# Altium PCB GameBoard_V1I1.PcbDoc (part 20 of 22)
Units mil, origin at the board's own origin, x right, y up, seen from the top; angles counter-clockwise.
Board outline 7165.35 x 2814.96 mil, 12 copper layers (L1, L2, L3, L4, L5 (PWR), L6 (PWR), L7 (PWR), L8 (PWR), L9, L10, L11, L12), stack 61.575 mil thick; 1551 components, 1072 nets, 5467 pads, 3785 vias.
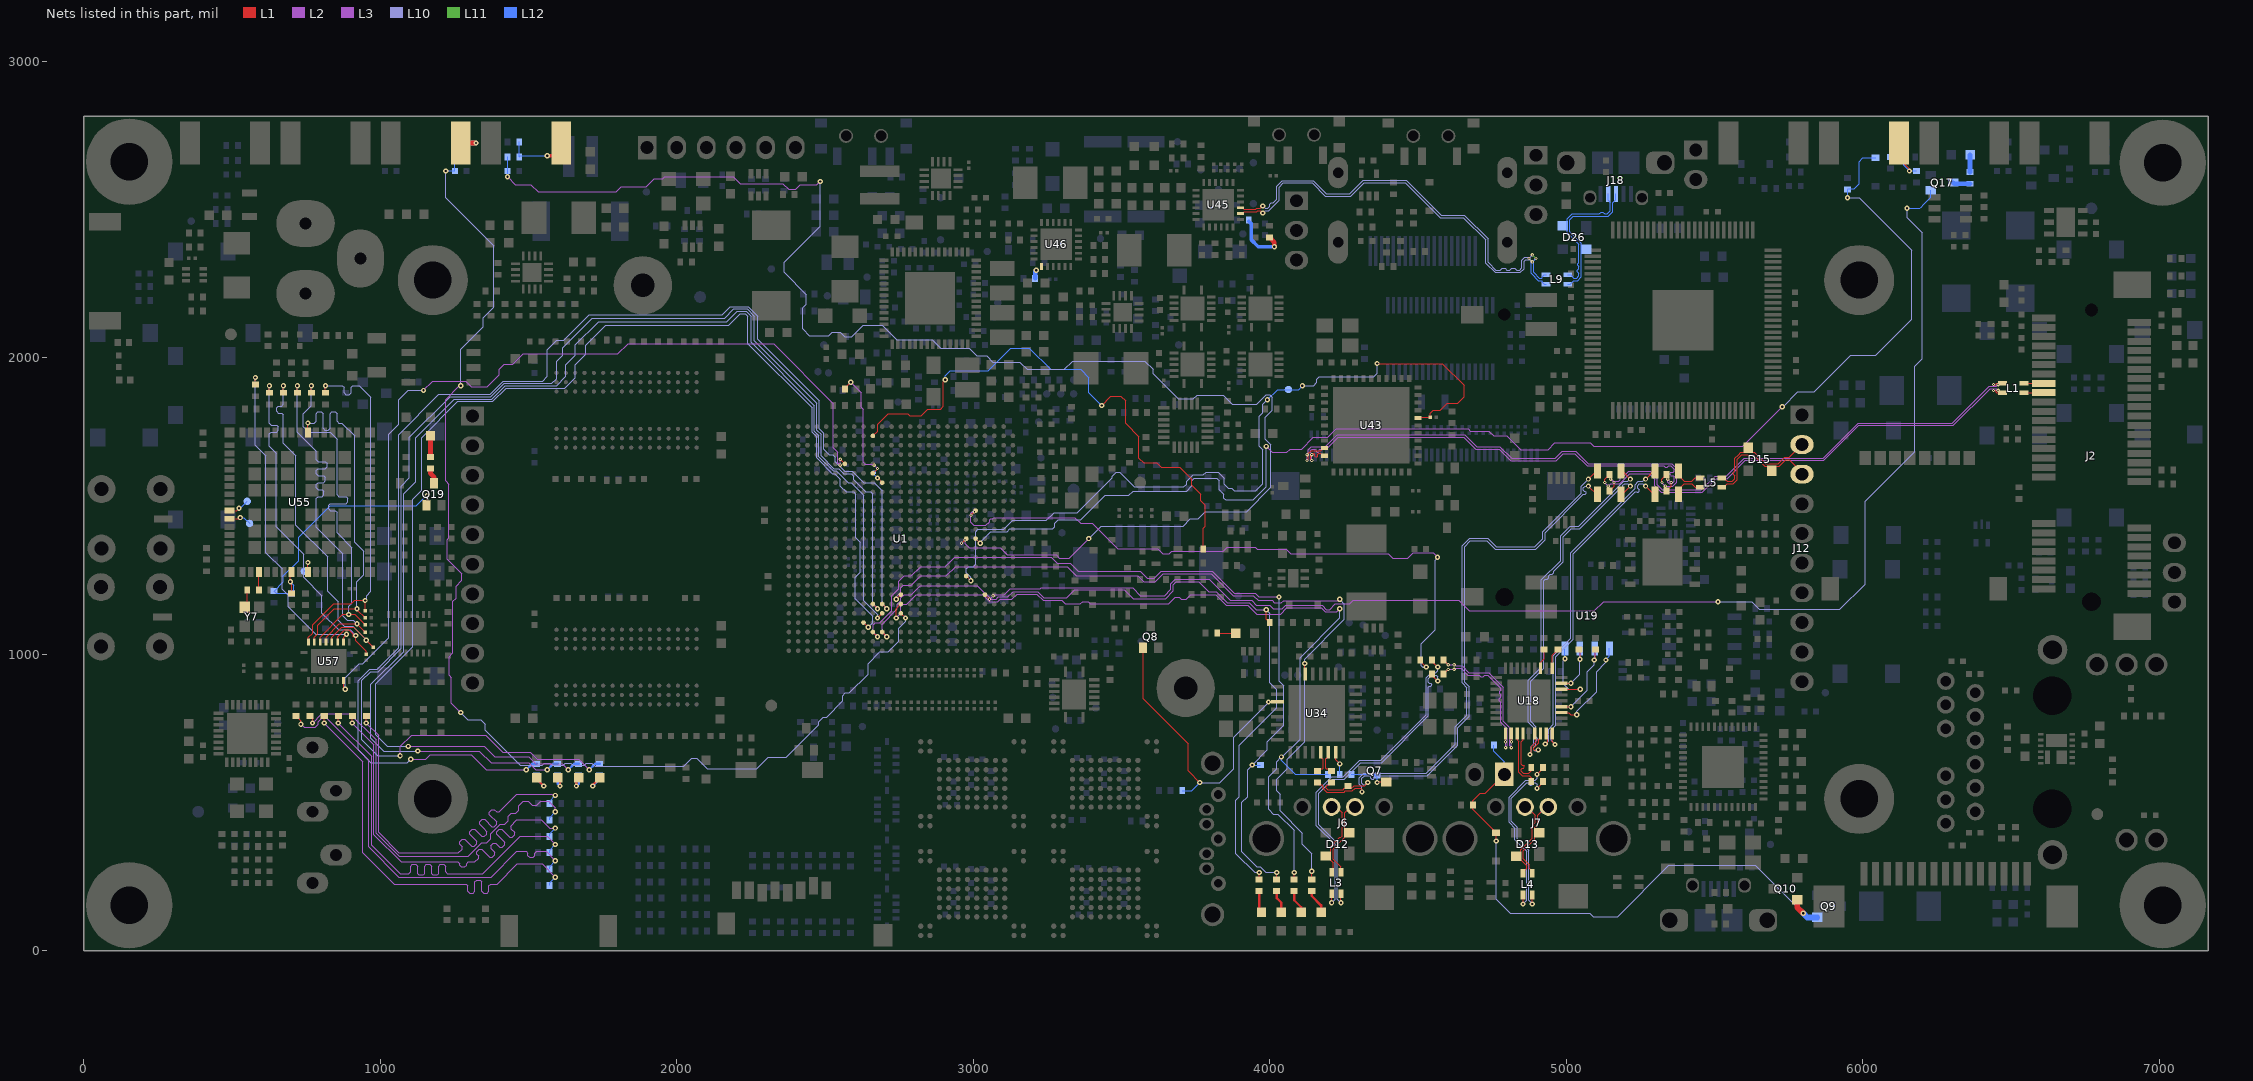
[diagram p30: the nets of this part, all layers, seen from the top]

## Via types
v1: diameter 17.72, hole 7.87, L1 to L12, 1935 vias
v2: diameter 17.72, hole 7.87, L1 to L12, tented both sides, 995 vias
v3: diameter 10.63, hole 3.94, L1 to L2, 334 vias
v4: diameter 11.81, hole 3.94, L2 to L3, 334 vias
v5: diameter 10.63, hole 3.94, L11 to L12, 94 vias
v6: diameter 11.81, hole 3.94, L10 to L11, 93 vias

## Nets (pads, with @x,y where several pads share a name; then routed paths per layer and width w, separated by ;. In a path a pad name is that pad's centre, name@x,y a point inside that pad or via, vN(x,y) a via of type N, cw(c..) or ccw(c..) an arc to the next point about the centre after c; other vN are vias at no path point) (continued)
USB1_P: R174.2 R175.2 U1.E10 | length 2203.5
  L1 w3.74: v3(2992.13,1468.51) U1.E10@3007.87,1484.25 ; R174.2@4507.87,980.31 4507.87,976.38 v1(4527.56,956.69)
  L3 w3.54: v4(3003.94,1480.32) 2997.05,1480.32 2992.13,1475.4 2992.13,1444.21 3002.26,1434.07 3042.4,1434.07 3055.18,1446.85 3055.18,1452.82 3059.12,1456.75 3065.08,1456.75 3068.68,1460.35 3342.8,1460.35 3362.21,1440.94 3401.58,1440.94 3487.2,1355.31 3623.03,1355.31 3639.76,1338.58 3661.11,1338.58 3669.97,1347.44 3842.41,1347.44 3856.19,1361.22 3950.59,1361.22 3958.66,1353.15 4055.62,1353.15 4070.19,1338.58 4399.15,1338.58 4414.89,1322.83 4465.24,1322.83 4483.75,1341.34 4551.38,1341.34 v1(4565.95,1326.77)
  L10 w3.54: v1(4527.56,956.69) 4515.75,956.69 4511.81,960.63 4511.81,1035.43 4559.06,1082.68 4559.06,1317.61 4565.95,1324.5 v1(4565.95,1326.77)
  L2 w3.15: v3(2992.13,1468.51) v4(3003.94,1480.32)
USB_BOT_L_N: D12.2 J6.2 L3.1 | length 276.5
  L1 w3.74: L3.1@4240.16,264.76 4240.16,282.64 4214.17,308.62 4214.17,344.09 4252.26,382.19 4252.26,464.57 4272.34,484.65 J6.2@4287.4,484.65 J6.2@4294.1,484.65
USB_BOT_L_P: D12.4 J6.3 L3.2 | length 275.2
  L1 w3.74: L3.2@4208.66,264.76 4214.57,270.67 4214.57,296.26 4205.71,305.12 4205.71,353.35 4208.66,356.3 4214.41,356.3 4217.52,359.41 4217.52,366.14 4220.47,369.09 4227.2,369.09 4231.3,373.19 4231.3,377.95 4235.4,382.05 4240.16,382.05 4243.8,385.69 4243.8,464.57 4223.72,484.65 J6.3@4208.66,484.65
USB_BOT_N: L3.4 R169.1 R170.1 | length 1134
  L1 w3.74: v1(4240.16,161.42) L3.4@4240.16,191.93 ; R169.1@4547.24,933.07 4547.24,929.13 v1(4566.93,909.45)
  L10 w3.54: v1(4240.16,161.42) 4228.35,173.23 4228.35,362.2 4165.35,425.2 4165.35,531.5 4212.6,578.74 4251.29,578.74 4306.41,633.86 4377.28,633.86 4535.43,792.01 4535.43,888.78 4538.39,891.73 4543.31,891.73 4546.26,894.68 4546.26,898.62 4543.31,901.57 4538.39,901.57 4535.43,904.53 4535.43,917.32 4547.25,929.13 4561.02,929.13 4566.93,923.23 v1(4566.93,909.45)
USB_BOT_P: L3.3 R172.1 R174.1 | length 1131.7
  L1 w3.74: v1(4208.66,161.42) L3.3@4208.66,191.93 ; R172.1@4547.24,980.31 4547.24,976.38 v1(4566.93,956.69)
  L10 w3.54: v1(4208.66,161.42) 4220.47,173.23 4220.47,358.94 4157.48,421.94 4157.48,534.76 4209.34,586.61 4248.03,586.61 4303.15,641.73 4374.02,641.73 4527.56,795.28 4527.56,920.58 4543.98,937.01 4560.04,937.01 4566.93,943.9 v1(4566.93,956.69)
USB_CONNECT_OR_USER_LED_2: R284.1 R285.1 U34.15 | length 80.5
  L1 w3.15: U34.15@4222.44,669.29 4222.44,643.7 v1(4236.22,629.92)
  L12 w3.15: R284.1@4236.22,594.49 v1(4236.22,629.92)
USB_CONNECTn: Q7.1 R272.1 R284.2 | length 149.1
  L1 w3.15: v1(4362.2,566.93) 4360.24,568.9 Q7.1@4393.7,568.9
  L12 w3.15: R284.2@4275.59,594.49 4350.39,594.49 R272.1@4358.27,586.61 ; v1(4362.2,566.93) 4362.2,582.68 R272.1@4358.27,586.61 ; R272.1@4362.2,590.55 R272.1@4358.27,586.61
USB_H1_OC: R590.1 U1.R7 | length 46.3
  L1 w3.15: v2(2677.17,1594.49) U1.R7@2692.91,1578.74
  L12 w3.15: R590.1@2666.73,1614.17 2666.73,1604.92 v2(2677.17,1594.49)
USB_HDR_L_N: D15.2 J12.2 L5.2 | length 403.2
  L1 w3.74: L5.2@5524.61,1594.49 5531.5,1594.49 5543.01,1582.97 5560.33,1582.97 5568.9,1591.54 5568.9,1601.38 5563.98,1606.3 5563.98,1612.2 5568.9,1617.13 5568.9,1660.59 5581.61,1673.31 5589.01,1680.71 5634.41,1680.71 5672.4,1642.72 5715.55,1642.72 5736.81,1663.98 5752.52,1663.98 5752.34,1664.15 J12.2@5795.28,1707.09
USB_HDR_L_P: D15.4 J12.3 L5.1 | length 404
  L1 w3.74: L5.1@5524.61,1562.99 5531.5,1562.99 5543.01,1574.51 5563.84,1574.51 5577.36,1588.03 5577.36,1657.09 5592.52,1672.24 5630.91,1672.24 5668.9,1634.25 5719.06,1634.25 5740.32,1655.51 5751.97,1655.51 5795.28,1612.2 J12.3@5795.28,1607.09
USB_HDR_N: L5.3 R159.2 R161.2 | length 101.6
  L1 w3.74: R161.2@5377.95,1618.11 5379.82,1616.24 5379.82,1601.77 5398.62,1582.97 5423.62,1582.97 5435.14,1594.49 L5.3@5451.77,1594.49
USB_HDR_P: L5.4 R163.1 R166.2 | length 101.6
  L1 w3.74: R163.1@5377.95,1539.37 5379.82,1541.24 5379.82,1555.71 5398.62,1574.51 5423.62,1574.51 5435.14,1562.99 L5.4@5451.77,1562.99
USB_LCDCTP_N: R158.2 R159.1 U43.42 | length 1599.7
  L1 w3.74: v3(4125.98,1653.54) 4129.63,1657.18 4129.63,1675.89 4139.76,1686.02 4171.26,1686.02 4180.12,1694.88 U43.42@4185.04,1694.88 ; v3(5322.83,1578.74) 5322.83,1590.55 R158.2@5338.58,1606.3
  L3 w3.54: v4(4125.98,1673.23) 4125.98,1675.47 4129.92,1679.4 4129.92,1690.27 4139.45,1699.8 4187.99,1699.8 4228.35,1740.16 4658.46,1740.16 4698.82,1699.8 4776.57,1699.8 4816.14,1660.24 4963.38,1660.24 4987.2,1684.05 5032.79,1684.05 5074.13,1642.72 5356.61,1642.72 5372.05,1627.28 5372.05,1580.4 5358.58,1566.93 v4(5334.65,1566.93) v4@5331.59,1569.98
  L2 w3.15: v3(4125.98,1653.54) v4(4125.98,1673.23) ; v3(5322.83,1578.74) v4(5334.65,1566.93)
USB_LCDCTP_P: R165.2 R166.1 U43.43 | length 1602
  L1 w3.74: v3(4141.73,1653.54) 4138.09,1657.18 4138.09,1672.38 4143.27,1677.56 4148.62,1677.56 4152.56,1673.62 4152.56,1668.31 4155.51,1665.35 4159.45,1665.35 4162.4,1668.31 4162.4,1674.21 4165.75,1677.56 4170.87,1677.56 4179.13,1669.29 U43.43@4185.04,1669.29 ; R165.2@5338.58,1551.18 5354.33,1566.93 v3(5354.33,1578.74)
  L3 w3.54: v4(4141.73,1673.23) 4141.73,1675.47 4137.8,1679.4 4137.8,1687.01 4142.72,1691.93 4153.54,1691.93 4156.5,1688.98 4156.5,1684.06 4159.45,1681.1 4163.39,1681.1 4166.34,1684.06 4166.34,1688.98 4169.29,1691.93 4191.25,1691.93 4231.61,1732.28 4655.2,1732.28 4695.56,1691.93 4773.31,1691.93 4812.88,1652.36 4966.65,1652.36 4990.46,1676.18 5029.53,1676.18 5070.87,1634.84 5328.74,1634.84 5333.66,1629.92 5340.55,1629.92 5345.47,1634.84 5353.35,1634.84 5364.17,1624.02 5364.17,1617.13 5360.24,1613.19 5353.35,1613.19 5350.39,1610.24 5350.39,1605.31 5353.35,1602.36 5360.24,1602.36 5364.17,1598.43 5364.17,1583.66 5355.31,1574.8 5347.44,1574.8 5342.52,1579.72 v4(5342.52,1590.55)
  L2 w3.15: v3(4141.73,1653.54) v4(4141.73,1673.23) ; v4(5342.52,1590.55) v3(5354.33,1578.74)
USB_MCU_N: R178.2 R179.2 R275.2 | length 1909.9
  L1 w3.74: R275.2@4161.42,566.93 4169.39,558.96 4175.3,558.96 4180.81,553.44 4180.81,545.41 4191.77,534.45 4251.14,534.45 4255.47,538.78 4279.1,538.78 4287.95,547.64 4306.69,547.64 4311.02,543.31 v1(4311.02,535.43) ; v1(5074.8,1590.55) 5102.36,1618.11 R179.2@5106.3,1618.11
  L10 w3.54: v1(4311.02,535.43) 4311.02,553.01 4302.17,561.87 4302.17,583.97 4316.62,598.43 4527.56,598.43 4625.98,696.85 4625.98,755.23 4665.35,794.6 4665.35,887.1 4649.61,902.85 4649.61,1366.14 4673.9,1390.44 4735.55,1390.44 4763.78,1362.21 4893.7,1362.21 4921.26,1389.77 4921.26,1413.39 5050.2,1542.32 5050.2,1565.94 v1(5074.8,1590.55)
USB_MCU_P: R180.1 R182.2 R274.2 R276.2 | length 1912
  L1 w3.74: R276.2@4208.66,566.93 4200.69,558.96 4194.78,558.96 4189.27,553.44 4189.27,548.92 4195.28,542.91 4247.64,542.91 4251.97,547.24 4275.59,547.24 4284.45,556.1 4319.88,556.1 v1(4330.71,566.93) ; v1(5074.8,1566.93) 5102.36,1539.37 R180.1@5106.3,1539.37
  L10 w3.54: v1(4330.71,566.93) 4322.83,559.06 4316.11,559.06 4310.04,565.13 4310.04,580.71 4319.88,590.55 4338.58,590.55 4341.54,587.6 4341.54,581.69 4344.49,578.74 4350.39,578.74 4353.35,581.69 4353.35,587.6 4356.3,590.55 4530.82,590.55 4633.86,693.59 4633.86,751.97 4673.23,791.34 4673.23,890.36 4657.48,906.11 4657.48,1362.88 4677.17,1382.57 4732.29,1382.57 4760.52,1354.33 4896.96,1354.33 4929.13,1386.5 4929.13,1410.12 5058.07,1539.06 5063.67,1539.06 5066.93,1542.32 5066.93,1547.24 5063.98,1550.2 5061.02,1550.2 5058.07,1553.15 5058.07,1561.02 5063.98,1566.93 v1(5074.8,1566.93)
USB_MCU_R_N: R275.1 U34.13 | length 82.4
  L1 w3.74: R275.1@4161.42,606.3 4168.23,613.12 4178.62,613.12 4180.81,615.31 4180.81,626.59 4179.82,627.57 4179.82,647.32 4177.63,649.51 4175.3,649.51 4171.26,653.54 U34.13@4171.26,669.29
USB_MCU_R_P: R276.1 U34.14 | length 82.4
  L1 w3.74: U34.14@4196.85,669.29 4196.85,653.54 4192.82,649.51 4190.48,649.51 4188.29,647.32 4188.29,631.08 4189.27,630.09 4189.27,615.31 4191.46,613.12 4201.84,613.12 R276.1@4208.66,606.3
USB_MPCIE_L_N: J2.36 L1.1 | length 65.9
  L1 w3.74: L1.1@6544.29,1881.89 J2.36@6610.24,1881.89
USB_MPCIE_L_P: J2.38 L1.2 | length 65.9
  L1 w3.74: L1.2@6544.29,1913.39 J2.38@6610.24,1913.39
USB_MPCIE_N: L1.4 R177.2 R178.1 | length 1619.5
  L1 w3.74: v3(5129.92,1578.74) 5129.92,1590.55 R177.2@5145.67,1606.3 ; v3(6440.94,1889.76) 6444.88,1889.76 6452.76,1881.89 L1.4@6471.46,1881.89
  L3 w3.54: v4(5141.73,1566.93) 5149.61,1574.8 5180.19,1574.8 5214.64,1609.25 5280.51,1609.25 5299.21,1590.55 5299.21,1567.6 5320.56,1546.26 5458.97,1546.26 5505.23,1592.52 5542.32,1592.52 5603.35,1653.54 5869.4,1653.54 5987.51,1771.65 6305.54,1771.65 6429.55,1895.67 6450.48,1895.67 6456.39,1889.76 v4(6456.69,1889.76)
  L2 w3.15: v3(5129.92,1578.74) v4(5141.73,1566.93) ; v3(6440.94,1889.76) v4(6456.69,1889.76)
USB_MPCIE_OC: R188.2 U18.21 | length 67.9
  L1 w3.15: U18.21@4913.39,952.76 4913.39,972.44 4925.2,984.25 R188.2@4925.2,1015.75
USB_MPCIE_P: L1.3 R181.2 R182.1 | length 1618.3
  L1 w3.74: R181.2@5145.67,1551.18 5161.42,1566.93 v3(5161.42,1578.74) ; v3(6440.94,1909.45) 6448.82,1909.45 6452.76,1913.39 L1.3@6471.46,1913.39
  L3 w3.54: v4(5149.61,1590.55) 5151.84,1590.55 5159.72,1582.68 5176.93,1582.68 5182.09,1587.84 5182.09,1595.47 5187.25,1600.63 5194.88,1600.63 5211.37,1617.13 5283.77,1617.13 5288.69,1612.2 5295.28,1612.2 5301.18,1606.3 5301.18,1599.72 5307.09,1593.81 5307.09,1570.87 5323.82,1554.13 5455.71,1554.13 5501.97,1600.39 5539.06,1600.39 5600.09,1661.42 5866.14,1661.42 5984.25,1779.53 6302.27,1779.53 6426.29,1903.54 6450.48,1903.54 6456.39,1909.45 v4(6456.69,1909.45)
  L2 w3.15: v4(5149.61,1590.55) v3(5161.42,1578.74) ; v3(6440.94,1909.45) v4(6456.69,1909.45)
USB_OC: R625.1 R626.1 U1.T6 | length 399
  L1 w3.15: R625.1@2566.93,1893.7 2566.93,1897.64 v1(2586.61,1917.32) ; U1.T6@2661.42,1610.24 v3(2677.17,1625.98)
  L3 w3.15: v1(2586.61,1917.32) 2586.61,1916.8 2622.05,1881.37 2622.05,1832.68 2628.94,1825.79 2628.94,1646.65 2634.84,1640.75 2662.4,1640.75 v4(2665.35,1637.8)
  L2 w3.15: v4(2665.35,1637.8) v3(2677.17,1625.98)
USB_OTG_EN: D25.2 JP2.1 Q9.1 Q10.1 R318.1 R326.2 | length 1943.4
  L1 w3.15: v1(4763.78,370.08) D25.2@4763.78,398.39 4685.04,477.13 R318.1@4685.04,492.13 4685.04,505.91 4709.65,530.51 4726.38,530.51 JP2.1@4790.35,594.49 ; JP2.1@4773.62,594.49 JP2.1@4790.35,594.49 ; JP2.1@4791.34,594.49 JP2.1@4790.35,594.49
  L1 w19.68: Q10.1@5779.53,171.26 5779.53,145.67 v1(5799.21,125.98)
  L10 w3.15: v1(4763.78,370.08) 4763.78,173.23 4811.02,125.98 5078.74,125.98 5090.55,114.17 5173.23,114.17 5346.46,287.4 5637.8,287.4 v1(5799.21,125.98)
  L12 w3.15: R326.2@4755.91,692.91 4755.91,673.23 4791.34,637.8 JP2.1@4791.34,594.49
  L12 w19.68: v1(5799.21,125.98) 5812.99,112.2 Q9.1@5846.85,112.2
USB_TOP_L_N: D13.2 J7.2 L4.3 | length 275.7
  L1 w3.74: L4.3@4885.83,260.83 4885.83,266.73 4874.61,277.95 4874.61,290.23 4855.31,309.52 4855.31,337.6 4893.6,375.89 4893.6,391.33 4894,391.72 4894,411.12 D13.2@4893.6,411.52 ; D13.2@4893.58,411.52 4893.58,416.06 4904.63,427.1 4904.63,456.11 4933.16,484.65 J7.2@4939.76,484.65
USB_TOP_L_P: D13.4 J7.3 L4.4 | length 276.1
  L1 w3.74: L4.4@4854.33,260.83 4854.33,266.73 4866.14,278.54 4866.14,286.72 4846.16,306.7 4846.16,318.9 4846.56,319.29 4846.56,340.81 4885.12,379.37 4885.12,419.56 4896.16,430.61 4896.16,456.11 4867.63,484.65 J7.3@4861.02,484.65
USB_TOP_N: L4.2 R157.1 R160.1 | length 586
  L1 w3.74: v1(4885.83,157.48) L4.2@4885.83,187.99 ; v1(4901.57,547.24) 4921.26,566.93 R157.1@4921.26,570.87
  L10 w3.54: v1(4885.83,157.48) 4874.02,169.29 4874.02,179.83 4874.02,337.91 4834.65,377.28 4834.65,416.65 4814.96,436.33 4814.96,514.46 4867.43,566.93 4873.03,566.93 4875.98,563.98 4875.98,560.04 4878.94,557.09 4882.87,557.09 4885.83,560.04 4885.83,563.98 4888.78,566.93 4895.67,566.93 4901.57,561.02 v1(4901.57,547.24)
USB_TOP_P: L4.1 R164.1 R167.1 | length 586.2
  L1 w3.74: v1(4854.33,157.48) L4.1@4854.33,187.99 ; v1(4901.57,594.49) 4921.26,614.17 R164.1@4921.26,618.11
  L10 w3.54: v1(4854.33,157.48) 4866.14,169.29 4866.14,176.57 4866.14,334.65 4826.77,374.02 4826.77,413.39 4807.09,433.07 4807.09,517.72 4864.17,574.8 4895.67,574.8 4901.57,580.71 v1(4901.57,594.49)
USBCh_OTG_L_N: D26.4 J18.2 L9.1 | length 483.4
  L12 w3.74: L9.1@5004.92,2279.53 5014.76,2279.53 5025.98,2268.31 5035.04,2268.31 5042.72,2275.98 5042.72,2284.45 5037.4,2289.76 5037.4,2294.88 5042.72,2300.2 5042.72,2307.09 5038.39,2311.42 5038.39,2316.54 5042.72,2320.87 5042.72,2382.48 5003.94,2421.26 5003.94,2468.58 5020.2,2484.84 5111.81,2484.84 5118.11,2491.14 5123.62,2491.14 5129.92,2484.84 5137.97,2484.84 5149.31,2496.19 5149.31,2522.93 5141.73,2530.51 J18.2@5141.73,2552.17
USBCh_OTG_L_P: D26.2 J18.3 L9.2 | length 485.3
  L12 w3.74: L9.2@5004.92,2248.03 5013.78,2248.03 5025.59,2259.84 5038.55,2259.84 5051.18,2272.48 5051.18,2385.99 5012.4,2424.77 5012.4,2465.08 5023.7,2476.38 5141.47,2476.38 5157.78,2492.68 5157.78,2522.93 5167.32,2532.48 J18.3@5167.32,2552.17
USBCh_OTG_N: L9.4 U45.3 | length 1442
  L1 w3.74: U45.3@3901.57,2505.91 3908.66,2505.91 3911.52,2503.05 3911.52,2502.49 3913.71,2500.3 3952.75,2500.3 3956.69,2504.23 3967.2,2504.23 3974.78,2511.81 v1(3976.38,2511.81)
  L10 w3.54: v1(3976.38,2511.81) 3977.67,2511.81 3985.54,2503.94 3993.11,2503.94 4000,2510.83 4000,2516.73 4005.91,2522.64 4011.81,2522.64 4023.62,2534.45 4023.62,2578.06 4043,2597.44 4145.98,2597.44 4190.61,2552.81 4270.02,2552.81 4315.64,2598.43 4459.95,2598.43 4578.06,2480.32 4656.81,2480.32 4736.22,2400.9 4736.22,2322.16 4763.1,2295.28 4777.56,2295.28 4783.46,2301.18 4794.29,2301.18 4800.2,2295.28 4810.04,2295.28 4816.93,2302.17 4825.79,2302.17 4832.68,2295.28 4842.52,2295.28 4850.39,2303.15 4850.39,2328.13 4860.85,2338.58 4877.95,2338.58 v6(4885.83,2346.46)
  L11 w3.15: v6(4885.83,2346.46) v5(4897.64,2334.65)
  L12 w3.74: v5(4897.64,2334.65) 4890.06,2327.07 4890.06,2287.52 4909.57,2268.01 4917,2268.01 4919.19,2270.2 4919.19,2273.52 4925.2,2279.53 L9.4@4932.09,2279.53
USBCh_OTG_P: L9.3 U45.2 | length 1441.9
  L1 w3.74: U45.2@3901.57,2486.22 3908.66,2486.22 3911.52,2489.07 3911.52,2489.64 3913.71,2491.83 3956.26,2491.83 3960.19,2495.77 3967.2,2495.77 3974.78,2488.19 v1(3976.38,2488.19)
  L10 w3.54: v1(3976.38,2488.19) 3977.67,2488.19 3985.54,2496.06 3996.37,2496.06 4031.5,2531.19 4031.5,2574.8 4046.26,2589.57 4142.72,2589.57 4187.35,2544.94 4273.28,2544.94 4318.9,2590.55 4456.69,2590.55 4574.8,2472.44 4653.54,2472.44 4728.35,2397.64 4728.35,2318.9 4759.84,2287.4 4845.78,2287.4 4858.27,2299.89 4858.27,2324.86 4864.11,2330.71 4877.95,2330.71 v6(4885.83,2322.83)
  L11 w3.15: v5(4874.02,2334.65) v6(4885.83,2322.83)
  L12 w3.74: v5(4874.02,2334.65) 4881.59,2327.07 4881.59,2284.02 4906.07,2259.55 4917,2259.55 4919.19,2257.36 4919.19,2254.04 4925.2,2248.03 L9.3@4932.09,2248.03
USBDN1_N: R169.2 U18.1 | length 500.1
  L1 w3.74: R169.2@4586.61,933.07 v3(4602.36,948.82) ; v3(4795.28,704.72) U18.1@4795.28,732.28
  L3 w3.54: v4(4622.05,948.82) 4624.28,948.82 4628.22,952.76 4645.43,952.76 4668.45,929.73 4706.69,929.73 4712.21,924.21 4720.47,924.21 4725.99,929.73 4735.62,929.73 4779.53,885.83 4779.53,878.94 4775.59,875 4775.59,867.13 4779.53,863.19 4779.53,854.33 4774.61,849.41 4774.61,843.5 4779.53,838.58 4779.53,769.68 4801.18,748.03 4801.18,691.25 4795.28,685.34 v4(4795.28,685.04)
  L2 w3.15: v3(4602.36,948.82) v4(4622.05,948.82) ; v4(4795.28,685.04) v3(4795.28,704.72)
USBDN1_OC: R197.1 U18.13 U19.2 | length 298.6
  L1 w3.15: U18.13@4984.25,822.83 v1(5015.75,822.83) ; v1(5094.49,980.31) 5098.43,984.25 R197.1@5098.43,1015.75
  L10 w3.15: v1(5015.75,822.83) 5070.87,877.95 5070.87,940.94 5094.49,964.57 v1(5094.49,980.31)
  L12 w3.15: v1(5094.49,980.31) 5095.87,981.69 U19.2@5095.87,1019.69
USBDN1_P: R172.2 U18.2 | length 501.3
  L1 w3.74: R172.2@4586.61,980.31 v3(4602.36,964.57) ; v3(4814.96,704.72) U18.2@4814.96,732.28
  L3 w3.54: v4(4622.05,964.57) 4624.28,964.57 4628.22,960.63 4648.69,960.63 4671.72,937.6 4738.88,937.6 4787.4,889.09 4787.4,772.95 4809.06,751.29 4809.06,691.25 4814.96,685.34 v4(4814.96,685.04)
  L2 w3.15: v3(4602.36,964.57) v4(4622.05,964.57) ; v4(4814.96,685.04) v3(4814.96,704.72)
USBDN1_PWR_EN: U18.12 U19.1 | length 324.6
  L1 w3.15: U18.12@4984.25,803.15 5007.87,803.15 5015.75,795.28 v1(5035.43,795.28)
  L10 w3.15: v1(5035.43,795.28) 5035.43,807.09 5102.36,874.02 5102.36,940.94 5133.86,972.44 v1(5133.86,980.31)
  L12 w3.15: v1(5133.86,980.31) 5145.87,992.32 U19.1@5145.87,1019.69
USBDN2_N: R157.2 U18.3 | length 195.2
  L1 w3.74: U18.3@4834.65,732.28 4834.65,710.63 4840.26,705.02 4840.26,600.95 4850.95,590.26 4875.3,590.26 4881.89,583.66 R157.2@4881.89,570.87
USBDN2_OC: R198.1 U18.17 U19.3 | length 195.3
  L1 w3.15: U18.17@4984.25,901.57 v1(5015.75,901.57) ; v1(5046.26,983.27) 5047.24,984.25 R198.1@5047.24,1015.75
  L10 w3.15: v1(5015.75,901.57) 5046.26,932.09 v1(5046.26,983.27)
  L12 w3.15: U19.3@5045.87,1019.69 5046.26,1019.29 v1(5046.26,983.27)
USBDN2_P: R164.2 U18.4 | length 195
  L1 w3.74: U18.4@4854.33,732.28 4854.33,710.63 4848.72,705.02 4848.72,628.64 4851.38,625.98 4856.3,625.98 4859.25,623.03 4859.25,618.11 4856.3,615.16 4851.67,615.16 4848.72,612.2 4848.72,604.45 4854.45,598.72 4874.31,598.72 4881.89,606.3 R164.2@4881.89,618.11
USBDN2_PWR_EN: U18.16 U19.4 | length 256.4
  L1 w3.15: U18.16@4984.25,881.89 v1(5047.24,881.89)
  L10 w3.15: v1@5000,980.31 v1(4996.06,984.25) 4989.17,977.36 4989.17,900.59 5007.87,881.89 v1(5047.24,881.89)
  L12 w3.15: U19.4@4995.87,1019.69 4995.87,984.45 v1(4996.06,984.25)
USBDN3_N: R177.1 R179.1 U18.6 | length 1234.1
  L1 w3.74: v1(4877.95,661.42) 4877.95,665.2 4882.36,669.6 4882.36,688.39 4899.31,705.34 4899.31,712.5 4893.7,718.11 U18.6@4893.7,732.28 ; R179.1@5185.04,1618.11 5188.98,1618.11 v1(5216.54,1590.55)
  L10 w3.54: v1(4877.95,661.42) 4877.95,664.76 4882.79,669.6 4882.79,688.96 4889.76,695.93 4889.76,752.64 4872.39,770.02 4872.39,911.76 4916.34,955.71 4916.34,1250.31 4981.3,1315.27 4981.3,1398.62 5013.44,1430.76 5041.68,1430.76 5193.59,1582.68 5207.37,1582.68 5215.25,1590.55 v1(5216.54,1590.55)
USBDN3_OC: R186.2 U18.19 | length 71.1
  L1 w3.15: U18.19@4952.76,952.76 4952.76,996.06 R186.2@4972.44,1015.75
USBDN3_P: R180.2 R181.1 U18.7 | length 1232.6
  L1 w3.74: v1(4905.51,677.17) 4903.89,675.55 4893.23,675.55 4890.82,677.96 4890.82,684.88 4907.78,701.84 4907.78,712.5 4913.39,718.11 U18.7@4913.39,732.28 ; R180.2@5185.04,1539.37 5188.98,1539.37 v1(5216.54,1566.93)
  L10 w3.54: v1(4905.51,677.17) 4903.35,675.01 4893.41,675.01 4890.66,677.76 4890.66,685.7 4897.64,692.67 4897.64,705.71 4902.56,710.63 4902.56,716.53 4897.64,721.46 4897.64,755.91 4880.26,773.28 4880.26,908.49 4924.21,952.45 4924.21,1247.05 4930.12,1252.95 4936.02,1252.95 4941.44,1258.37 4941.44,1264.27 4946.85,1269.69 4952.76,1269.69 4957.68,1274.61 4957.68,1280.51 4989.17,1312.01 4989.17,1395.36 5016.7,1422.89 5044.94,1422.89 5180.12,1558.07 5187.01,1558.07 5191.44,1562.5 5191.44,1569.39 5196.85,1574.8 5207.37,1574.8 5215.25,1566.93 v1(5216.54,1566.93)
USBDN4_N: R158.1 R161.1 U18.8 | length 1127
  L1 w3.74: v1(4929.13,696.85) 4937.01,704.72 4937.01,728.35 U18.8@4933.07,732.28 ; v1(5267.72,1590.55) 5295.28,1618.11 R161.1@5299.21,1618.11
  L10 w3.54: v1(4929.13,696.85) 4929.87,696.85 4940.94,707.92 4940.94,747.36 4956.69,763.1 4956.69,995.39 5015.75,1054.44 5015.75,1342.62 5233.27,1560.14 5233.27,1572.16 5243.79,1582.68 5258.55,1582.68 5266.43,1590.55 v1(5267.72,1590.55)
USBDN4_P: R163.2 R165.1 U18.9 | length 1129.2
  L1 w3.74: U18.9@4952.76,732.28 4952.76,704.72 v1(4962.11,695.37) ; v1(5267.72,1566.93) 5295.28,1539.37 R163.2@5299.21,1539.37
  L10 w3.54: v1(4962.11,695.37) 4962.11,696.11 4948.82,709.4 4948.82,744.1 4964.57,759.84 4964.57,992.13 5023.62,1051.18 5023.62,1339.36 5232.49,1548.23 5237.2,1548.23 5239.17,1546.26 5243.11,1546.26 5246.06,1549.21 5246.06,1554.13 5241.14,1559.06 5241.14,1568.9 5247.05,1574.8 5258.55,1574.8 5266.43,1566.93 v1(5267.72,1566.93)
USER_BTN_1: D43.2 R418.1 U1.E13 | length 4475.7
  L1 w3.15: U1.E13@3007.87,1389.76 v2(3023.62,1374.02)
  L3 w3.15: v2(3988.19,1700.79) 4007.87,1681.1 4057.86,1681.1 4068.69,1691.93 4107.28,1691.93 4146.65,1731.3 4195.87,1731.3 4224.41,1759.84 4669.29,1759.84 4677.17,1751.97 4739.17,1751.97 4754.92,1736.22 4799.83,1736.22 4846.09,1689.96 4939.19,1689.96 4961.82,1712.6 5081.48,1712.6 5092.31,1701.77 5595.47,1701.77 v2(5728.35,1834.65)
  L10 w3.15: v2(3023.62,1374.02) 3023.62,1377.28 3059.73,1413.39 3114.17,1413.39 3123.03,1422.24 3267.72,1422.24 3275.59,1430.12 3275.59,1440.94 3287.4,1452.76 3362.2,1452.76 3444.88,1535.43 3524.61,1535.43 3539.37,1550.2 3585.84,1550.2 3719.49,1550.2 3737.2,1567.91 3737.2,1584.86 3745.85,1593.5 3821.08,1593.5 3829.72,1584.86 3829.72,1555.12 3845.47,1539.37 3845.47,1526.57 3851.38,1520.67 3943.9,1520.67 3988.19,1564.96 v2(3988.19,1700.79) ; v2(5728.35,1834.65) 5731.61,1834.65 5781.5,1884.53 5836.1,1884.53 5959.44,2007.87 6043.31,2007.87 6165.35,2129.92 6165.35,2362.2 5988.19,2539.37 v1(5948.82,2539.37)